# Altium PCB highpower.PcbDoc (part 1 of 2)
Units mil, origin at the board's own origin, x right, y up, seen from the top; angles counter-clockwise.
Board outline 3385.83 x 4330.71 mil, 2 copper layers (Top Layer, Bottom Layer); 122 components, 82 nets, 359 pads, 377 vias.
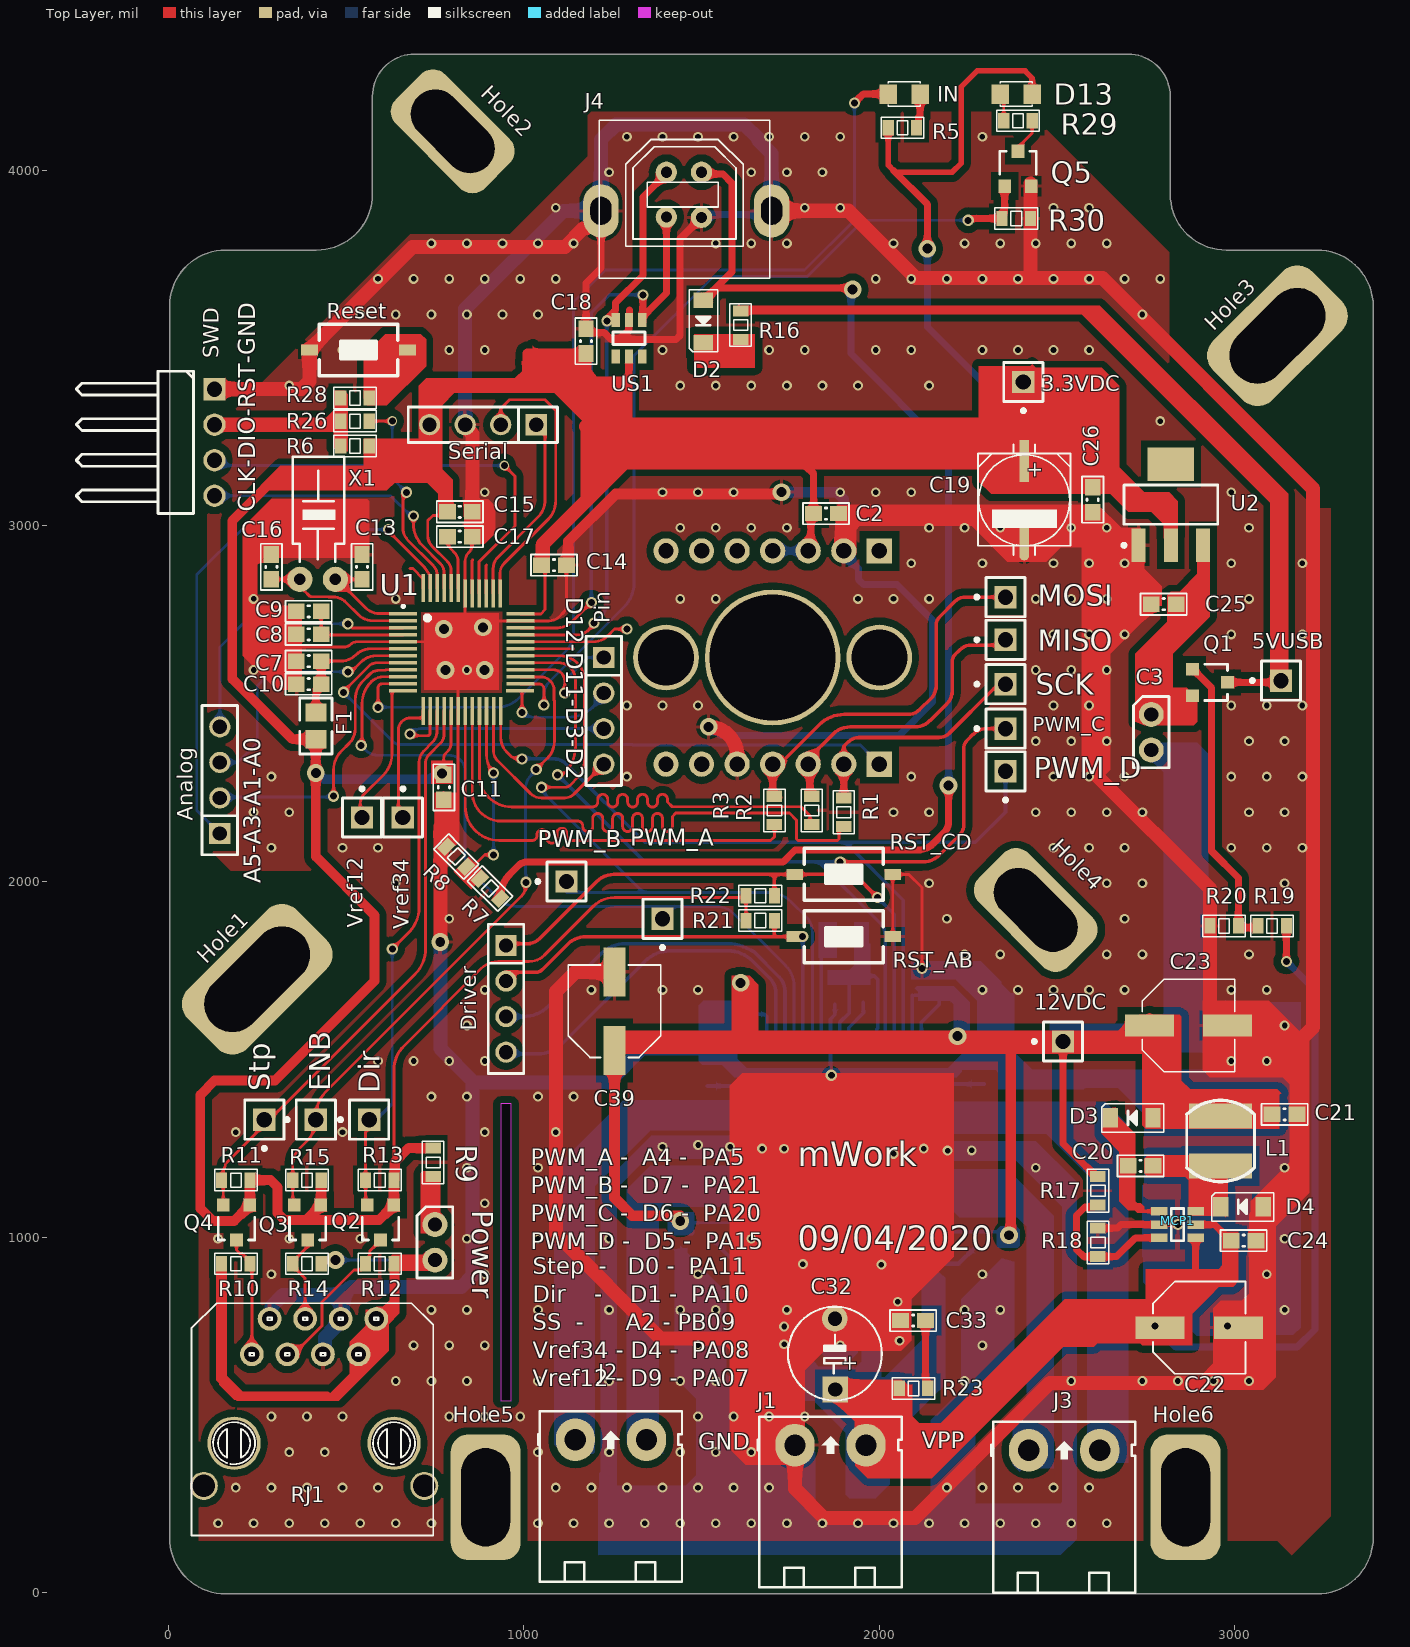
[diagram p0: Top Layer view]
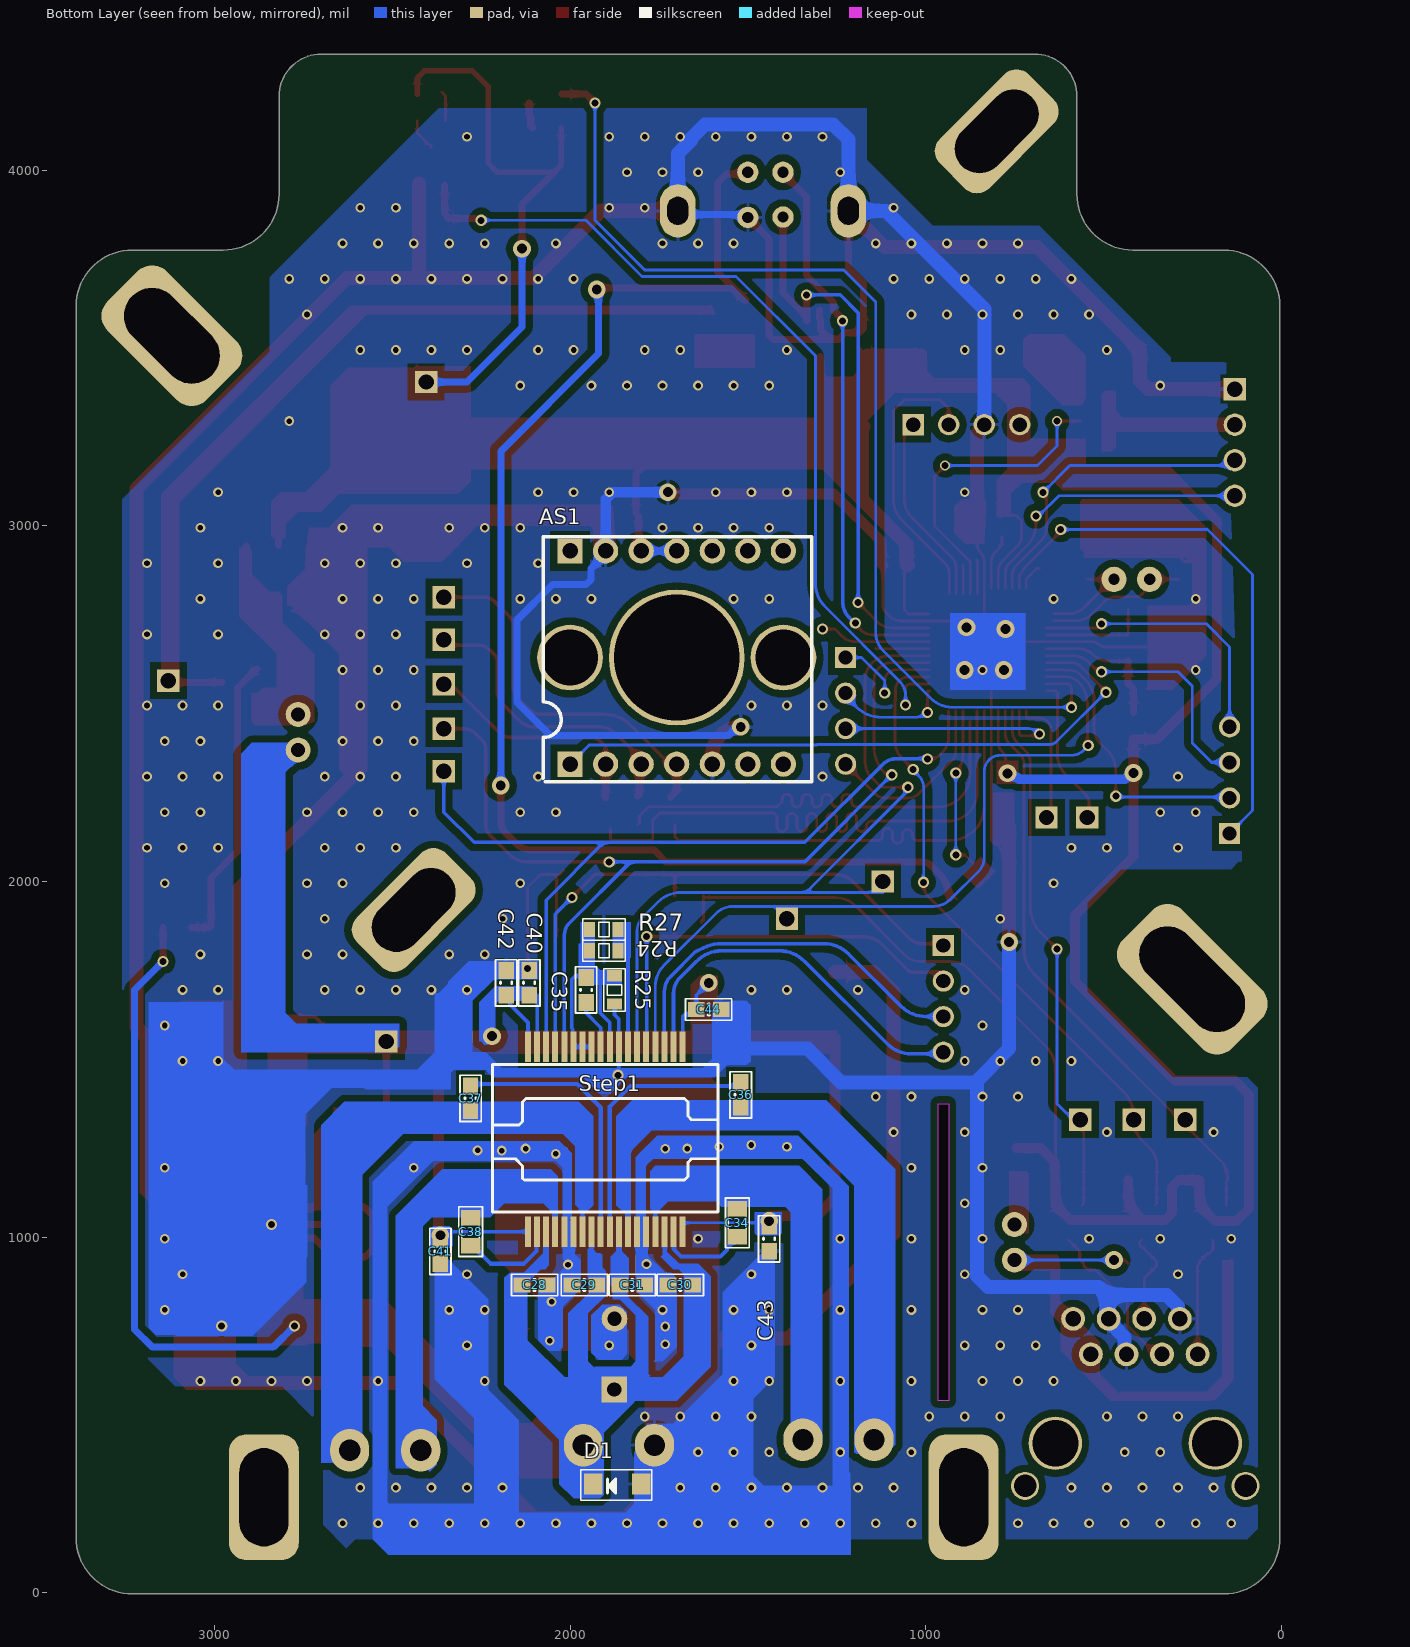
[diagram p1: Bottom Layer view, seen from below]
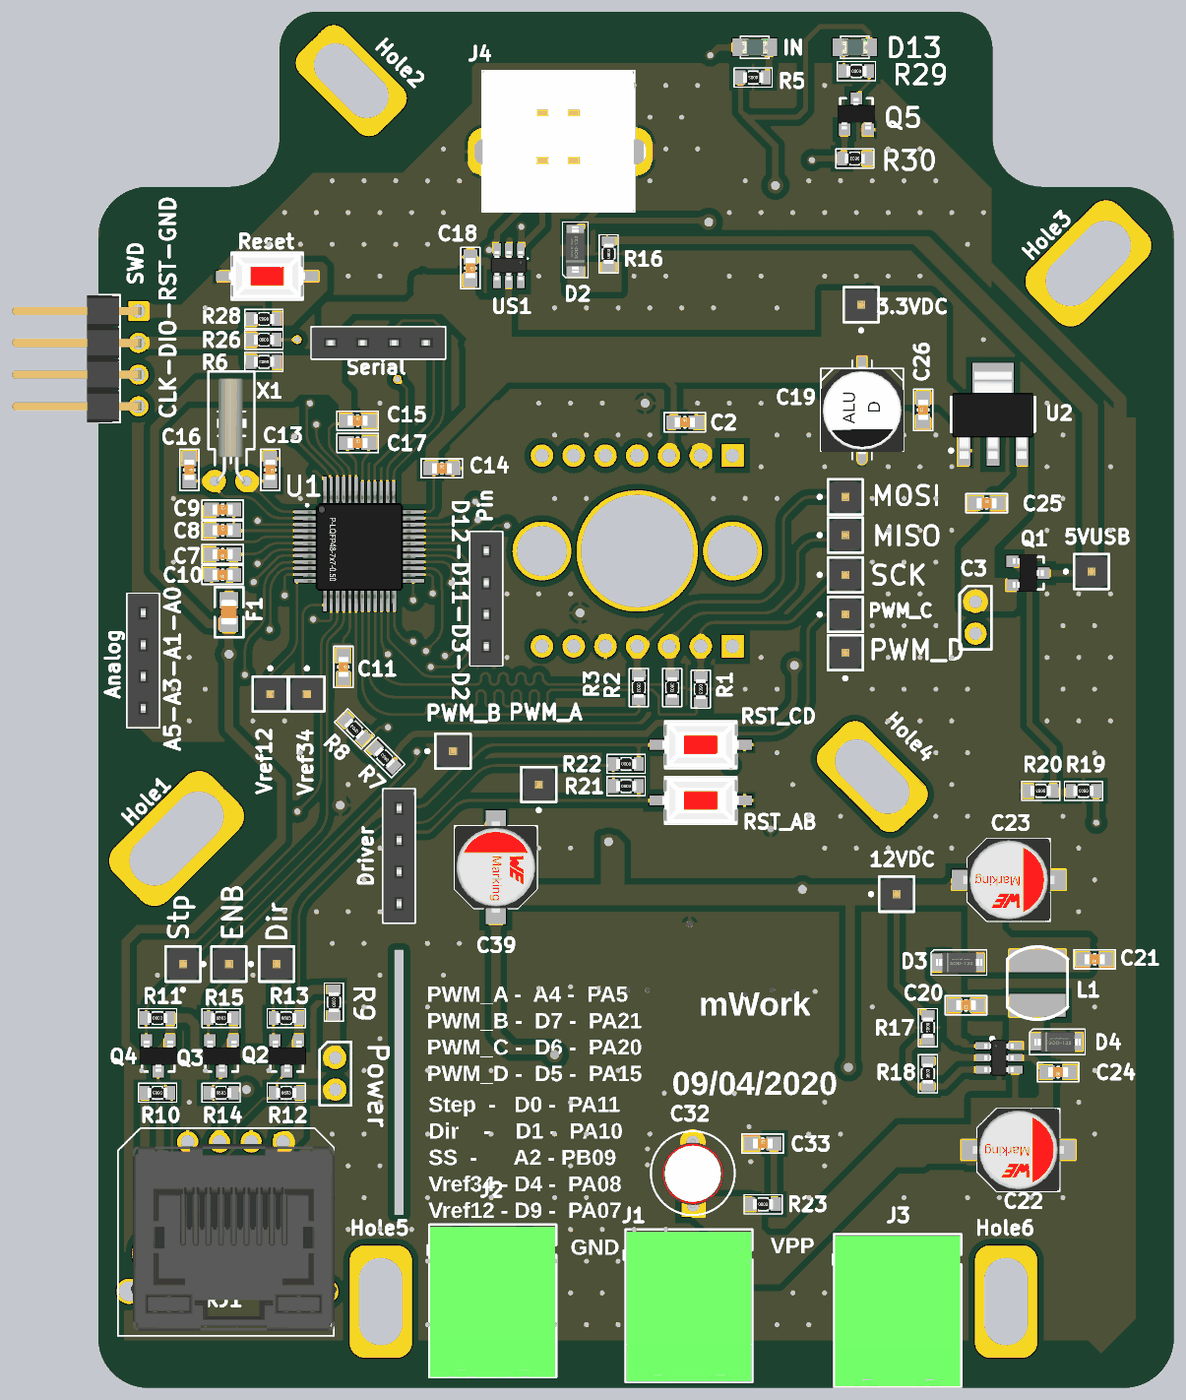
[diagram p3: 3D render of the assembled board from above, using the file's embedded part models]
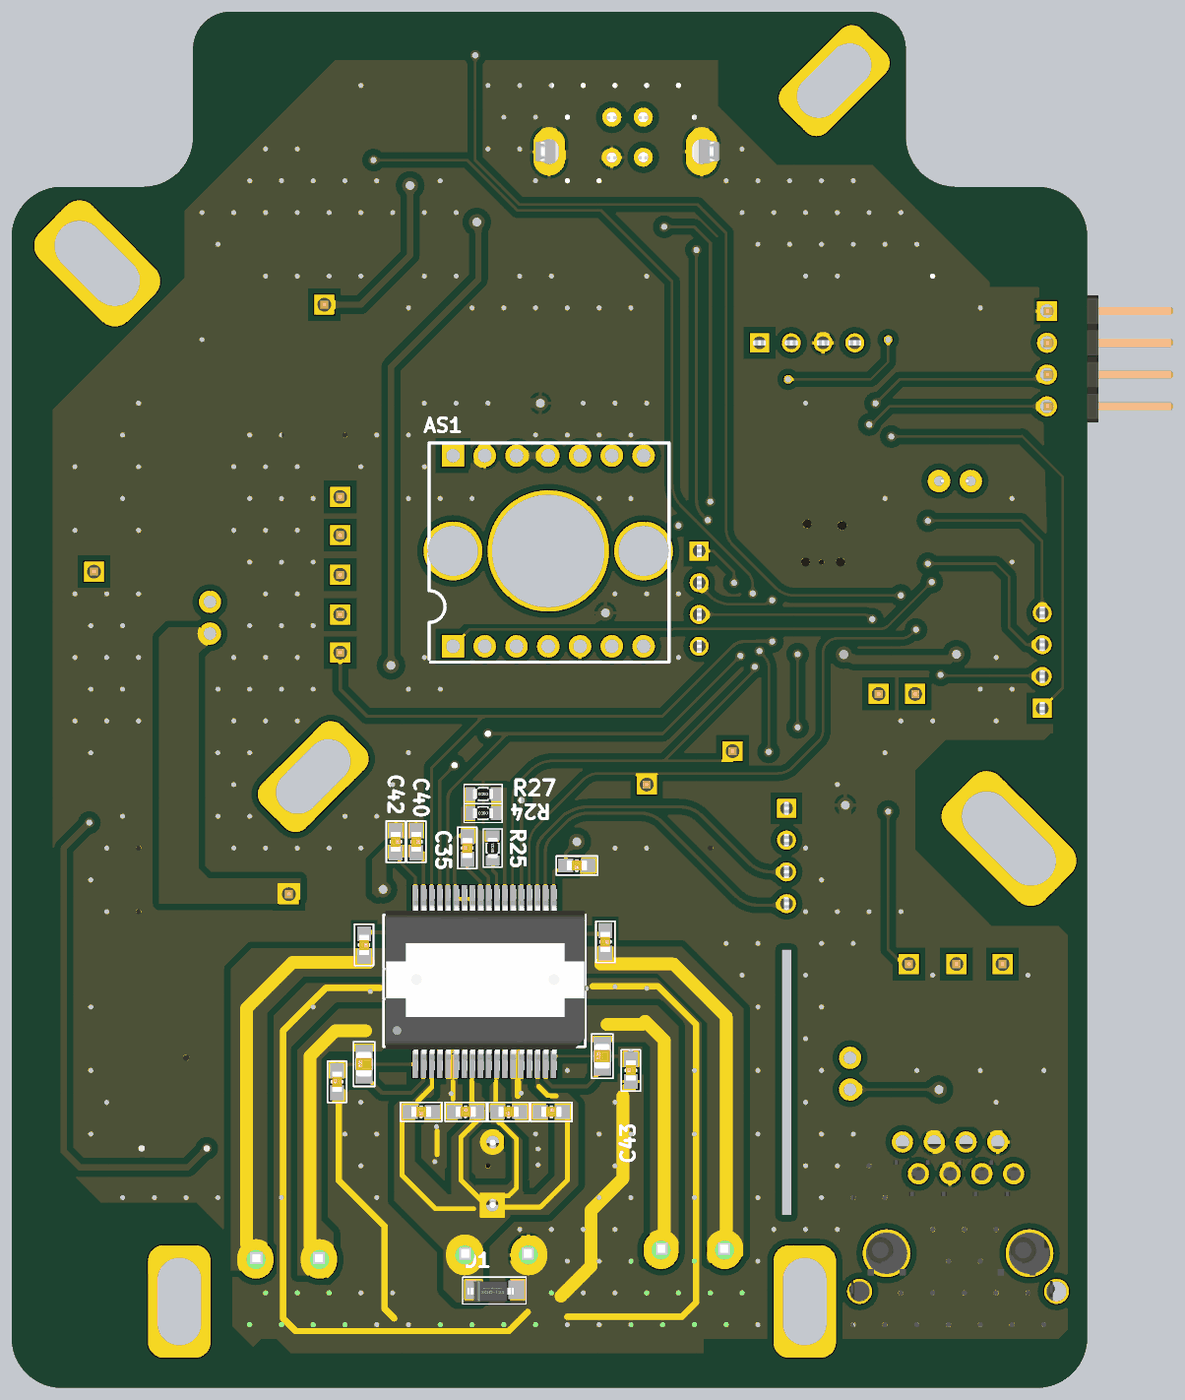
[diagram p4: 3D render of the assembled board from below, using the file's embedded part models]

## Layer stack, top to bottom
Top Solder: solder mask 0.4, Solder Resist, Dk 3.5
Top Layer: signal copper 1.4
Dielectric 1: dielectric 12.6, FR-4, Dk 4.8
Bottom Layer: signal copper 1.4
Bottom Solder: solder mask 0.4, Solder Resist, Dk 3.5

## Board outline
160.9,-3.61 cw(c160.9,153.87) 3.42,153.87 3.42,3618.43 cw(c160.9,3618.43) 160.9,3775.91 416.8,3775.91 ccw(c416.8,3933.4) 574.29,3933.4 574.29,4208.99 cw(c692.4,4208.99) 692.4,4327.1 2700.27,4327.1 cw(c2700.27,4208.99) 2818.38,4208.99 2818.38,3933.4 ccw(c2975.86,3933.4) 2975.86,3775.91 3231.77,3775.91 cw(c3231.77,3618.43) 3389.25,3618.43 3389.25,153.87 cw(c3231.77,153.87) 3231.77,-3.61
cut-out: 935,1375 935,540 965,540 965,1375

## Design rules (kind name [scope] priority, off if disabled: settings)
Clearance top [InNamedPolygon('GND_L01_P002')] p1: gap=20 ignorepadtopadclearanceinfootprint=FALSE
Clearance bot [InNamedPolygon('GND_L02_P001')] p2: gap=20 ignorepadtopadclearanceinfootprint=FALSE
Clearance "Stitching GND" [IsStitchingVia and InNet('GND') vs (IsVia and (Not IsStitchingVia)) Or IsPad] p3: gap=5 ignorepadtopadclearanceinfootprint=FALSE
Clearance [All] p4: gap=10 ignorepadtopadclearanceinfootprint=FALSE except(0: Arc-Hole Track-Hole SMDPad-Hole THPad-Hole Via-Hole Fill-Hole Poly-Hole Region-Hole Text-Hole)
MatchedLengths PWM [InNetClass('PWM')] p1: tolerance=39.37 checknetsindiffpair=FALSE checkdiffpairvsdiffpair=TRUE checkxsignals=TRUE checkothers=TRUE
MatchedLengths SPI [InNetClass('SPI')] p2: tolerance=39.37 checknetsindiffpair=TRUE checkdiffpairvsdiffpair=FALSE checkxsignals=FALSE checkothers=FALSE
PolygonConnect [All] p1: connectstyle=Relief reliefconductorwidth=10 reliefentries=4 polygonreliefangle="90 Angle" airgapwidth=10
RoomDefinition Power [InComponentClass('Power')] p1: confinementstyle=ConfineIn formatcopy=TRUE lockcomponents=FALSE outline -555,-1295 1445,-1295 1445,-295 -555,-295
RoomDefinition Motor [InComponentClass('Motor')] p2: confinementstyle=ConfineIn formatcopy=TRUE lockcomponents=FALSE outline -560,-1305 -270,-1305 -270,-305 -560,-305
RoomDefinition Main [InComponentClass('Main')] p3: confinementstyle=ConfineIn formatcopy=TRUE lockcomponents=FALSE outline 6480,1900 7935,1900 7935,2500 6480,2500
RoomDefinition Interfaces [InComponentClass('Interfaces')] p4: confinementstyle=ConfineIn formatcopy=TRUE lockcomponents=FALSE outline 35,1240 35,140 765,140 765,1240
RoomDefinition ArduinoZero [InComponentClass('ArduinoZero')] p5: confinementstyle=ConfineIn formatcopy=TRUE lockcomponents=FALSE outline 6430,-130 11170,-130 11170,420 6430,420
RoutingVias [All] p1: holewidth=19.68 width=31.5 viastyle="Through Hole" minholewidth=15.75 minwidth=27.56 maxholewidth=19.68 maxwidth=27.56
SolderMaskExpansion [All] p1: expansion=4 istentingtop=FALSE
Width [All] p1: maxlimit=118.11 minlimit=8 preferedwidth=39.37
30 further rules are at their usual default settings.

## Classes and differential pairs
component class Power: 3.3VDC 5VUSB 12VDC C3 C19 C20 C21 C22 C23 C24 C25 C26 D1 D2 D3 D4 L1 MCP1 Q1 R16 R17 R18 R19 R20 U2
component class Main: Analog AS1 C2 D13 Hole1 Hole2 Hole3 Hole4 Hole5 Hole6 IN J1 J2 J3 MISO MOSI Pin PWM_A PWM_B PWM_C PWM_D Q5 R1 R2 R3 R5 R29 R30 SCK Serial Vref12 Vref34
component class Interfaces: Dir ENB Power Q2 Q3 Q4 R9 R10 R11 R12 R13 R14 R15 RJ1 Stp
component class Motor: C28 C29 C30 C31 C32 C33 C34 C35 C36 C37 C38 C39 C40 C41 C42 C43 C44 Driver R21 R22 R23 R24 R25 R27 RST_AB RST_CD Step1
component class ArduinoZero: C7 C8 C9 C10 C11 C13 C14 C15 C16 C17 C18 F1 J4 R6 R7 R8 R26 R28 Reset SWD U1 US1 X1

## Components (designator, comment, footprint, x,y, rotation, side; value= is the part's Value field where it differs from the comment)
3.3VDC "JP1" JP1-D1T 2405,3405 r180 top
5VUSB "JP1" JP1-D1T 3130,2565 r90 top
12VDC "JP1" JP1-D1T 2516.63,1549.91 r90 top
Analog "JP4" JP4-C1T 145,2135 r90 top
AS1 "AS5047D" AS5047D_Module 2000,2330 r90 bottom locked
C2 "CN" CN-SMD-0603_big 1850,3035 r0 top value=33pF
C3 "JP2" JP2-CLOSED 2765,2470 r0 top
C7 "0.1uF" CN-SMD-0603_big 395,2620 r180 top value=33pF
C8 "4.7uF" CN-SMD-0603_big 395,2695 r0 top value=33pF
C9 "0.1uF" CN-SMD-0603_big 395,2760 r0 top value=33pF
C10 "0.1uF" CN-SMD-0603_big 395,2555 r180 top value=33pF
C11 "0.1uF" CN-SMD-0603_big 775,2265 r270 top value=33pF
C13 "22pF" CN-SMD-0603_big 545,2885 r270 top value=33pF
C14 "0.1uF" CN-SMD-0603_big 1085,2890 r0 top value=33pF
C15 "0.1uF" CN-SMD-0603_big 820,3040 r0 top value=33pF
C16 "22pF" CN-SMD-0603_big 290,2885 r270 top value=33pF
C17 "1uF" CN-SMD-0603_big 820,2970 r0 top value=33pF
C18 "0.1uF" CN-SMD-0603_big 1175,3520 r270 top value=33pF
C19 "100uF" CAP-ALU-SMD-D 2407.79,3072.31 r270 top
C20 "CN" CN-SMD-0603_big 2735,1200 r180 top value=33pF
C21 "CN" CN-SMD-0603_big 3140,1345 r180 top value=33pF
C22 "10uF" CAP-ALU-SMD-6.3x7.7x2.2 2900,745 r0 top
C23 "10uF" CAP-ALU-SMD-6.3x7.7x2.2 2869.76,1595 r0 top
C24 "CN" CN-SMD-0603_big 3025,990 r180 top value=33pF
C25 "CN" CN-SMD-0603_big 2800,2780 r0 top value=33pF
C26 "CN" CN-SMD-0603_big 2600.24,3073.87 r90 top value=33pF
C28 "0.1uF" CN-SMD-0603_big 2100,865 r0 bottom value=33pF
C29 "0.1uF" CN-SMD-0603_big 1960,865 r180 bottom value=33pF
C30 "0.1uF" CN-SMD-0603_big 1690,865 r180 bottom value=33pF
C31 "0.1uF" CN-SMD-0603_big 1825,865 r0 bottom value=33pF
C32 "CN-ALU-DIP" CA-ALU-5R 1875,670 r90 top value=104
C33 "10nF" CN-SMD-0603_big 2095,765 r0 top value=33pF
C34 "0.1uF" CN-SMD-0805 1530,1040 r90 bottom value=33pF
C35 "0.1uF" CN-SMD-0603_big 1955,1695 r90 bottom value=33pF
C36 "0.1uF" CN-SMD-0603_big 1520,1400 r270 bottom value=33pF
C37 "0.1uF" CN-SMD-0603_big 2280,1390 r270 bottom value=33pF
C38 "0.1uF" CN-SMD-0805 2280,1015 r90 bottom value=33pF
C39 "10uF" CAP-ALU-SMD-6.3x7.7x2.2 1255,1635 r90 top
C40 "1uF" CN-SMD-0603_big 2115,1715 r270 bottom value=33pF
C41 "1uF" CN-SMD-0603_big 2365,959.61 r90 bottom value=33pF
C42 "1uF" CN-SMD-0603_big 2180,1715 r270 bottom value=33pF
C43 "1uF" CN-SMD-0603_big 1440,995 r90 bottom value=33pF
C44 "1uF" CN-SMD-0603_big 1610,1640 r0 bottom value=33pF
D1 "RB160M-60" DIO-SMD-214AC 1970,260 r180 bottom value=1N5007
D2 "Diode" DIO-SMD-123 1505,3575 r90 top value=1N5007
D3 "Diode" DIO-SMD-123 2710,1335 r0 top value=1N5007
D4 "Diode" DIO-SMD-123 3020,1085 r0 top value=1N5007
D13 "LED" LED-0805-Blue 2430,4215 r180 top value="LED 3 - 5 ly 2 Colour" (schematic designator LED3)
Dir "JP1" JP1-D1T 565,1330 r90 top
Driver "JP4" JP4-C1T 950,1820 r270 top
ENB "JP1" JP1-D1T 415,1330 r90 top
F1 "600R@100Mhz" Capacitor_805 415,2437.6 r90 top
Hole1 "Hole pad" HolePad#1 250,1725 r225 top
Hole2 "Hole pad" HolePad#2 800,4110 r135 top
Hole3 "Hole pad" HolePad#3 3120,3535 r225 top
Hole4 "Hole pad" HolePad#2 2440,1920 r135 top
Hole5 "Hole pad" HolePad#4 896.69,290 r90 top
Hole6 "Hole pad" HolePad#5 2865.28,267.95 r90 top locked
IN "LED" LED-0805-Blue 2115,4215 r180 top value="LED 3 - 5 ly 2 Colour" (schematic designator LED2)
J1 "KF2" KF2-5.08T 1762.73,414.63 r0 top
J2 "KF2" KF2-5.08T 1145,430 r0 top
J3 "KF2" KF2-5.08T 2420,400 r0 top
J4 "8492121" USB-C3 1452,3931.5 r0 top
L1 "56uH" L_SMD 2965,1220 r90 top
MCP1 "MCP16331" SOT23-6- 2787.64,1035 r270 top
MISO "JP1" JP1-D1T 2355,2680 r90 top
MOSI "JP1" JP1-D1T 2355,2800 r90 top
Pin "JP4" JP4-C1T 1225,2630 r270 top
Power "JP2" JP2-CLOSED 750,1035 r0 top
PWM_A "JP1" JP1-D1T 1390,1895 r180 top
PWM_B "JP1" JP1-D1T 1120,2000 r90 top
PWM_C "JP1" JP1-D1T 2355,2430 r90 top
PWM_D "JP1" JP1-D1T 2355,2310 r180 top
Q1 "Fet P" SOT23F 2930,2560 r270 top value=IRF840
Q2 "BSS138" SOT23-bss138 596.97,1040.79 r180 top
Q3 "BSS138" SOT23-bss138 391.97,1040.79 r180 top
Q4 "BSS138" SOT23-bss138 191.97,1040.79 r180 top
Q5 "BSS138" SOT23-bss138 2390,4005 r0 top
R1 "0R" RES-SMD-0603_BIG 1900,2195 r270 top
R2 "0R" RES-SMD-0603_BIG 1810,2200 r270 top
R3 "0R" RES-SMD-0603_BIG 1705,2200 r270 top
R5 "1K" RES-SMD-0603_BIG 2065,4120 r180 top
R6 "10K" RES-SMD-0603_BIG 525,3225 r180 top
R7 "5.1K" RES-SMD-0603_BIG 905,1980 r135 top
R8 "10K" RES-SMD-0603_BIG 810,2070 r135 top
R9 "R" RES-SMD-0603_BIG 745,1210 r90 top
R10 "R" RES-SMD-0603_BIG 190,925 r180 top
R11 "R" RES-SMD-0603_BIG 190,1160 r0 top
R12 "R" RES-SMD-0603_BIG 595,925 r0 top
R13 "R" RES-SMD-0603_BIG 595,1160 r0 top
R14 "R" RES-SMD-0603_BIG 390,925 r0 top
R15 "R" RES-SMD-0603_BIG 390,1160 r0 top
R16 "1K" RES-SMD-0603_BIG 1610,3565 r90 top
R17 "68K" RES-SMD-0603_BIG 2615,1130 r270 top
R18 "5.1K" RES-SMD-0603_BIG 2615,985 r90 top
R19 "22K" RES-SMD-0603_BIG 3105,1875 r180 top
R20 "22K" RES-SMD-0603_BIG 2970,1875 r180 top
R21 "R" RES-SMD-0603_BIG 1665,1890 r0 top
R22 "R" RES-SMD-0603_BIG 1665,1960 r0 top
R23 "3.3R" RES-SMD-0603_BIG 2096.11,574.01 r0 top
R24 "R" RES-SMD-0603_BIG 1905,1805 r0 bottom
R25 "R" RES-SMD-0603_BIG 1875,1695 r90 bottom
R26 "330R" RES-SMD-0603_BIG 525,3295 r0 top
R27 "R" RES-SMD-0603_BIG 1905,1865 r0 bottom
R28 "39R" RES-SMD-0603_BIG 525,3360 r180 top
R29 "330R" RES-SMD-0603_BIG 2390,4140 r0 top
R30 "22K" RES-SMD-0603_BIG 2385,3865 r180 top
Reset "SW" SW1-SMD 535,3495 r0 top value="SW chip 2 pin"
RJ1 "RJ45" RJ45-Dung 235,670 r0 top
RST_AB "SW" SW1-SMD 1900,1845 r180 top value="SW chip 2 pin" (schematic designator SW2)
RST_CD "SW" SW1-SMD 1900,2020 r180 top value="SW chip 2 pin" (schematic designator SW3)
SCK "JP1" JP1-D1T 2355,2555 r90 top
Serial "JP4" JP4-C1T 1035,3285 r180 top
Step1 "DRV8432" DRV8432 2118.54,1535 r270 bottom net-tie
Stp "JP1" JP1-D1T 270,1330 r180 top
SWD "JP4" JP4-D1C 30,3035 r270 top
U1 "ATSAMD21G18A-AU" QFP50P900X900X120-48N 825.16,2644.65 r0 top
U2 "LM1117-3.3V" SOT223 2820,3060 r0 top
US1 "USBLC" SOT23-6 1295.94,3579.53 r180 top
Vref12 "JP1" JP1-D1T 545,2180 r0 top
Vref34 "JP1" JP1-D1T 660,2180 r0 top
X1 "32.768khz" XT32k 370,2850 r90 top value=4Mhz
